# Altium PCB Enigma Rev A Back.PcbDoc
Units mil, origin at the board's own origin, x right, y up, seen from the top; angles counter-clockwise.
Board outline 9055.12 x 4527.56 mil, 4 copper layers (Component Side, Ground Plane, Power Plane, Solder Side), stack 33.234 mil thick; 24 components, 124 nets, 538 pads, 0 vias.
Unrouted connection lines stored in the file: 98.
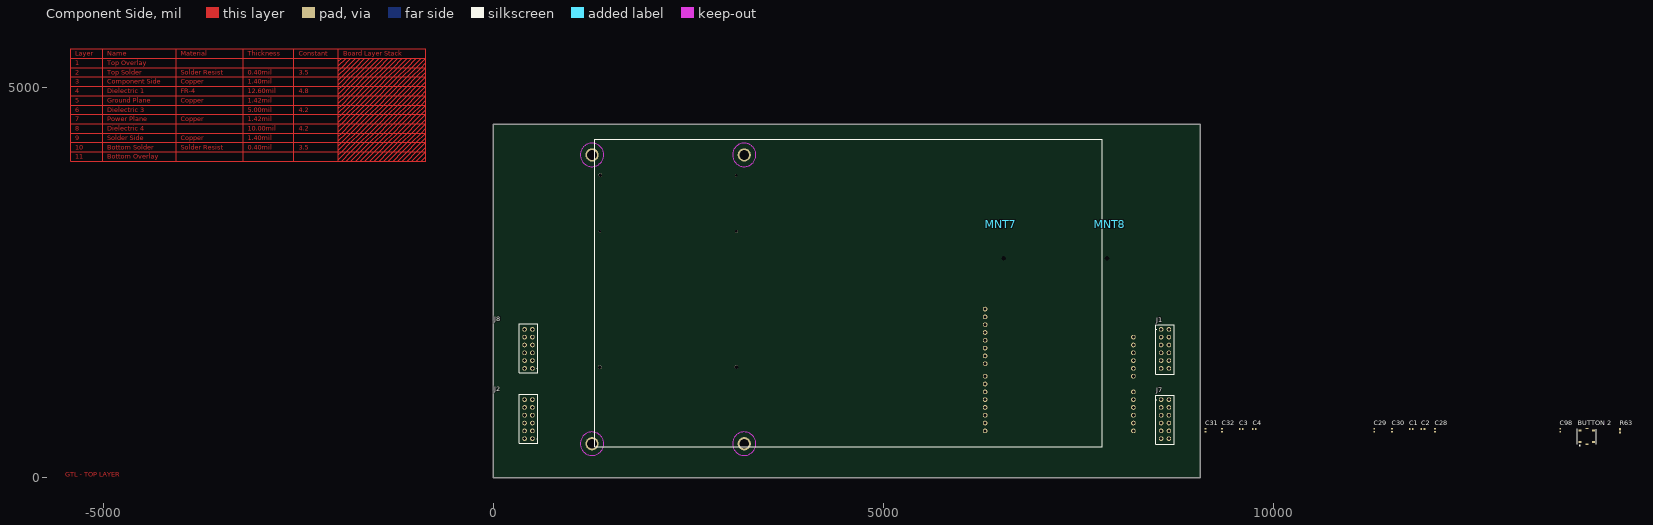
[diagram p0: Component Side view]
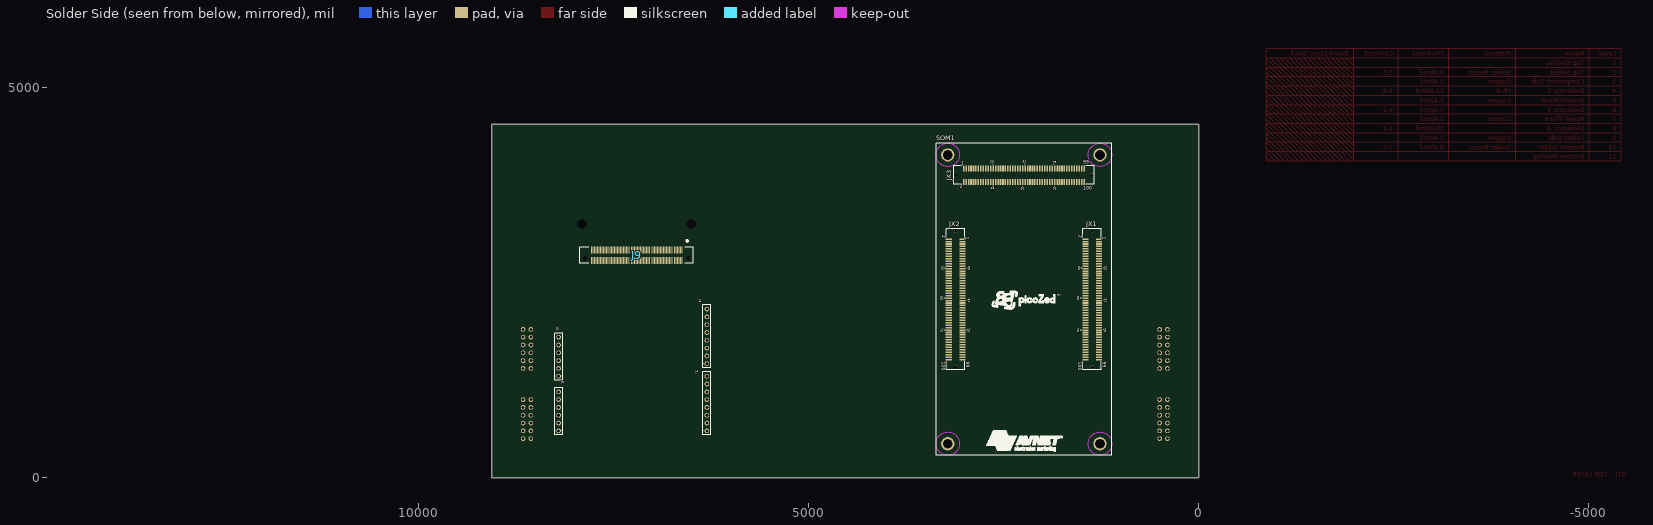
[diagram p1: Solder Side view, seen from below]
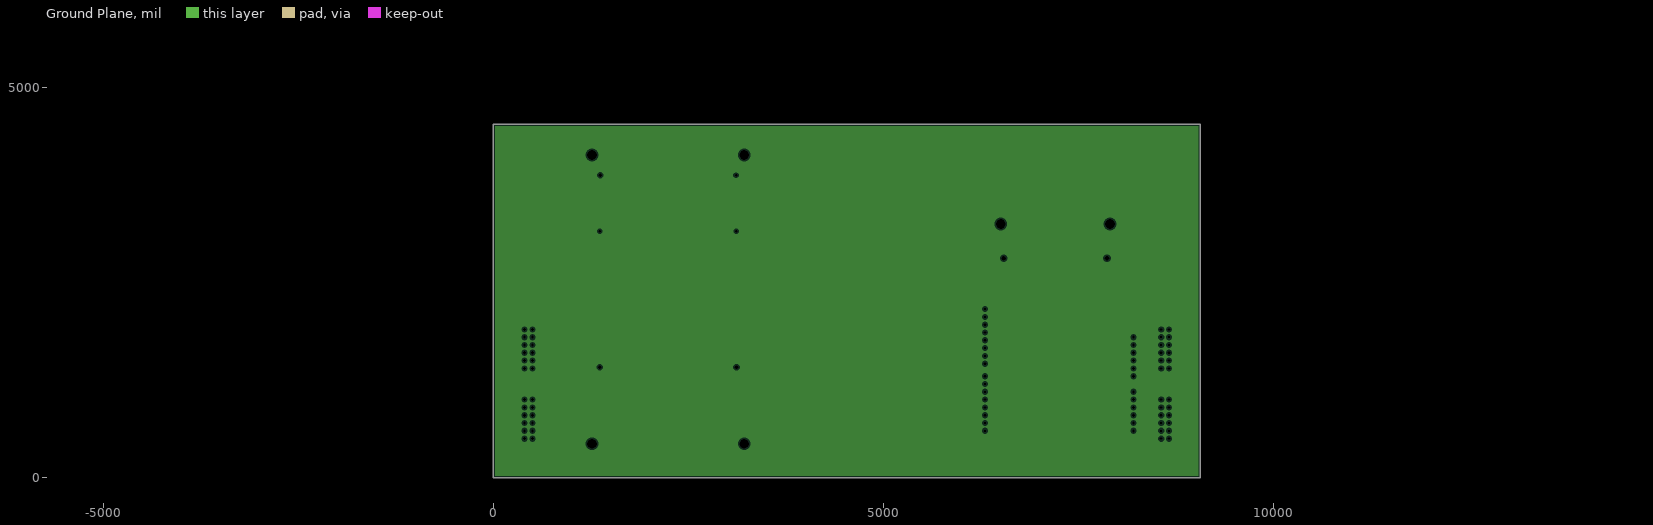
[diagram p2: Ground Plane, clearances drawn from the general rule]
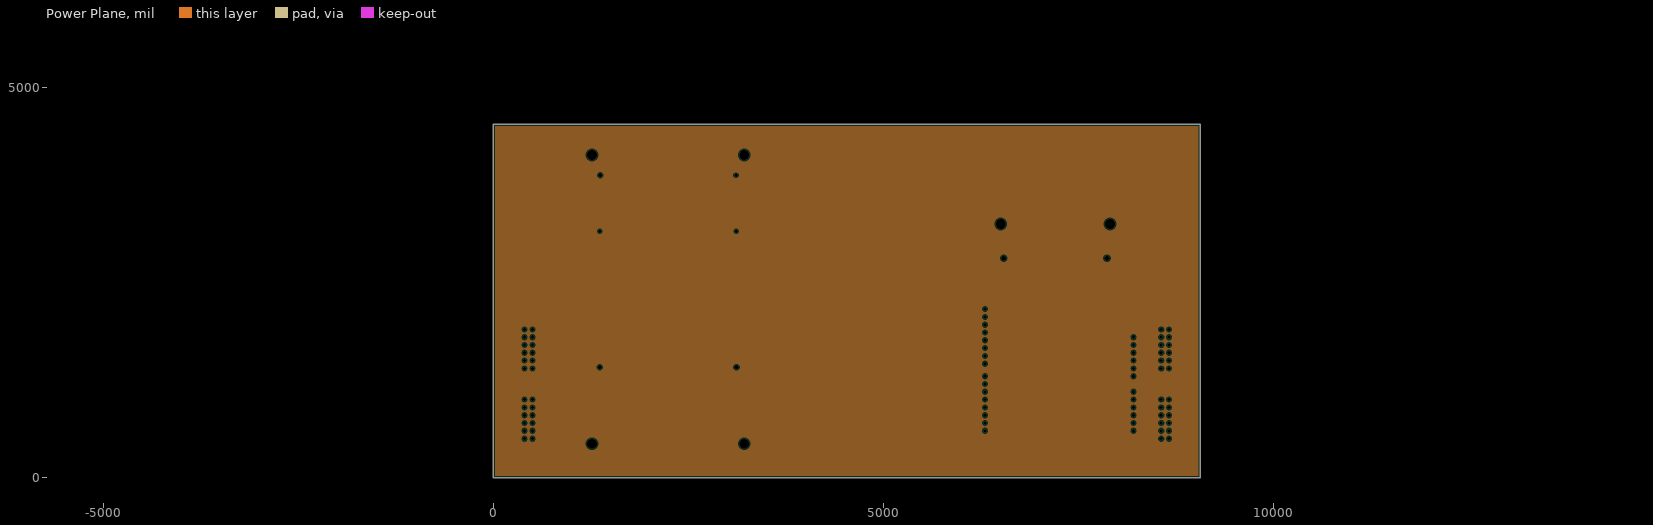
[diagram p3: Power Plane, clearances drawn from the general rule]

## Layer stack, top to bottom
Top Solder: solder mask 0.4, Solder Resist, Dk 3.5
Component Side: signal copper 1.4
Dielectric 1: core 12.6, FR-4, Dk 4.8
Ground Plane: plane copper 1.417
Dielectric 3: prepreg 5, Dk 4.2
Power Plane: plane copper 1.417
Dielectric 4: core 10, Dk 4.2
Solder Side: signal copper 1.4
Bottom Solder: solder mask 0.4, Solder Resist, Dk 3.5

## Board outline
0,0 9055.12,0 9055.12,4527.56 0,4527.56

## Design rules (kind name [scope] priority, off if disabled: settings)
Clearance [All] p1: gap=10 ignorepadtopadclearanceinfootprint=FALSE except(0: Arc-Hole Track-Hole SMDPad-Hole THPad-Hole Via-Hole Fill-Hole Poly-Hole Region-Hole Text-Hole)
DiffPairsRouting [All] p1: maxlimit=10 minlimit=10 mostfreqgap=10 toplayer_minwidth=15 toplayer_maxwidth=15 toplayer_prefwidth=15 bottomlayer_minwidth=15 bottomlayer_maxwidth=15 bottomlayer_prefwidth=15 maxuncoupledlength=500
PlaneClearance [All] p1: clearance=20
PlaneConnect [All] p1: planeconnectstyle=Relief reliefexpansion=20 reliefentries=4 reliefconductorwidth=10 reliefairgap=10
PolygonConnect [All] p1: connectstyle=Relief reliefconductorwidth=10 reliefentries=4 polygonreliefangle="90 Angle" airgapwidth=10
RoutingLayers [All] p1: top layer_v5=FALSE bottom layer_v5=TRUE
RoutingVias [All] p1: holewidth=28 width=50 viastyle="Through Hole" minholewidth=28 minwidth=50 maxholewidth=28 maxwidth=50
SolderMaskExpansion [All] p1: expansion=4
Width [All] p1: maxlimit=10 minlimit=10 preferedwidth=10
26 further rules are at their usual default settings.

## Classes and differential pairs
differential pair EXT_SERDES_TX1: +EXT_SERDES_TX1_P -EXT_SERDES_TX1_N
differential pair EXT_SERDES_TX0: +EXT_SERDES_TX0_P -EXT_SERDES_TX0_N
differential pair EXT_SERDES_RX1: +EXT_SERDES_RX1_P -EXT_SERDES_RX1_N
differential pair EXT_SERDES_RX0: +EXT_SERDES_RX0_P -EXT_SERDES_RX0_N
differential pair EXT_SERDES_CLK1: +EXT_SERDES_CLK1_P -EXT_SERDES_CLK1_N
differential pair EXT_SERDES_CLK0: +EXT_SERDES_CLK0_P -EXT_SERDES_CLK0_N
differential pair ESIG25: +ESIG25_P -ESIG25_N
differential pair ESIG24: +ESIG24_P -ESIG24_N
differential pair ESIG23: +ESIG23_P -ESIG23_N
differential pair ESIG22: +ESIG22_P -ESIG22_N
differential pair ESIG21: +ESIG21_P -ESIG21_N
differential pair ESIG20: +ESIG20_P -ESIG20_N
differential pair ESIG19: +ESIG19_P -ESIG19_N
differential pair ESIG18: +ESIG18_P -ESIG18_N
differential pair ESIG17: +ESIG17_P -ESIG17_N
differential pair ESIG15: +ESIG15_P -ESIG15_N
differential pair ESIG14: +ESIG14_P -ESIG14_N
differential pair ESIG13: +ESIG13_P -ESIG13_N
differential pair ESIG12: +ESIG12_P -ESIG12_N
differential pair ESIG11: +ESIG11_P -ESIG11_N
differential pair ESIG10: +ESIG10_P -ESIG10_N
differential pair ESIG9: +ESIG9_P -ESIG9_N
differential pair ESIG8: +ESIG8_P -ESIG8_N
differential pair ESIG7: +ESIG7_P -ESIG7_N
differential pair ESIG6: +ESIG6_P -ESIG6_N
differential pair ESIG5: +ESIG5_P -ESIG5_N
differential pair ESIG4: +ESIG4_P -ESIG4_N
differential pair ESIG3: +ESIG3_P -ESIG3_N
differential pair ESIG2: +ESIG2_P -ESIG2_N
differential pair ESIG1: +ESIG1_P -ESIG1_N
differential pair CLK1_ESIG16: +CLK1_ESIG16_P -CLK1_ESIG16_N
differential pair CLK0_ESIG0: +CLK0_ESIG0_P -CLK0_ESIG0_N

## Components (designator, comment, footprint, x,y, rotation, side; value= is the part's Value field where it differs from the comment)
"BUTTON 2" "S_TACTILE_5X5" TACTILE_BUTTON_5X5 14010,530 r90 top
C1 "0.1uF" C_ERA-0402 11760,625 r0 top
C2 "0.1uF" C_ERA-0402 11910,625 r0 top
C3 "0.1uF" C_ERA-0402 9580,625 r0 top
C4 "0.1uF" C_ERA-0402 9750,625 r0 top
C28 "0.1uF" C_ERA-0402 12065,610 r90 top
C29 "0.1uF" C_ERA-0402 11285,610 r90 top
C30 "0.1uF" C_ERA-0402 11515,610 r90 top
C31 "0.1uF" C_ERA-0402 9125,610 r90 top
C32 "0.1uF" C_ERA-0402 9335,610 r90 top
C98 "0.1uF" C_ERA-0402 13670,610 r90 top
J1 "PMOD" PMOD 8555.39,1900 r270 top locked
J2 "PMOD" PMOD 499.61,500 r90 top locked
J3 "J_HDR1X6_THRHOLE_VERT_FEMALE" "HDR_1X6 - FEMALE" 8200,1300 r90 bottom locked
J4 "J_HDR1X8_THRHOLE_VERT_RECPT" "HDR_1X8 - FEMALE" 6300,600 r90 bottom locked
J5 "J_HDR1X6_THRHOLE_VERT_FEMALE" "HDR_1X6 - FEMALE" 8200,600 r90 bottom locked
J6 "J_HDR1X8_THRHOLE_VERT_RECPT" "HDR_1X8 - FEMALE" 6300,1460 r90 bottom locked
J7 "PMOD" PMOD 8555.39,1000 r270 top locked
J8 "PMOD" PMOD 499.61,1400 r90 top locked
J9 "J_ARTEMIS_EXP_120PIN_BRD" ERM5-060-04.0-L-DV-TR 7200,2850 r0 bottom locked
MNT7 "Mounting Hole" MNT_4-40 6500,3250 r0 top locked
MNT8 "Mounting Hole" MNT_4-40 7900,3250 r0 top locked
R63 "R_0402_10.0K" ERA-0402 14435,600 r90 top
SOM1 "PicoZed" PicoZedSOM 3363.89,285.31 r180 bottom

## Footprints (in the part's own frame and the unit in brackets; to place one, negate y for a bottom-side part, rotate by r counter-clockwise, add the part's x,y. Pads: shape width x height; smd on the part's side, far side on the other; paste and mask are expansions set on the pad)
C_ERA-0402 [mm]
  rect 0.5x0.6 smd: 1(-0.5,0) 2(0.5,0)
  body extent -0.5,-0.3 0.5,0.3, height 0.2
ERA-0402 [mm] "Chip Resistor, 2-Leads, Body 1.0x0.5mm, IPC Medium Density"
  rect 0.75x0.65 smd: 1(-0.55,0) 2(0.55,0)
  body extent -0.5,-0.25 0.5,0.25, height 0.33
ERM5-060-04.0-L-DV-TR [mm]
  rect 0.305x2.273 smd mask+0.06: 1(-14.75,-1.7) 2(-14.75,1.7) 3(-14.25,-1.7) 4(-14.25,1.7) 5(-13.75,-1.7) 6(-13.75,1.7) 7(-13.25,-1.7) 8(-13.25,1.7) 9(-12.75,-1.7) 10(-12.75,1.7) 11(-12.25,-1.7) 12(-12.25,1.7) 13(-11.75,-1.7) 14(-11.75,1.7) 15(-11.25,-1.7) 16(-11.25,1.7) 17(-10.75,-1.7) 18(-10.75,1.7) 19(-10.25,-1.7) 20(-10.25,1.7) 21(-9.75,-1.7) 22(-9.75,1.7) 23(-9.25,-1.7) 24(-9.25,1.7) 25(-8.75,-1.7) 26(-8.75,1.7) 27(-8.25,-1.7) 28(-8.25,1.7) 29(-7.75,-1.7) 30(-7.75,1.7) 31(-7.25,-1.7) 32(-7.25,1.7) 33(-6.75,-1.7) 34(-6.75,1.7) 35(-6.25,-1.7) 36(-6.25,1.7) 37(-5.75,-1.7) 38(-5.75,1.7) 39(-5.25,-1.7) 40(-5.25,1.7) 41(-4.75,-1.7) 42(-4.75,1.7) 43(-4.25,-1.7) 44(-4.25,1.7) 45(-3.75,-1.7) 46(-3.75,1.7) 47(-3.25,-1.7) 48(-3.25,1.7) 49(-2.75,-1.7) 50(-2.75,1.7) 51(-2.25,-1.7) 52(-2.25,1.7) 53(-1.75,-1.7) 54(-1.75,1.7) 55(-1.25,-1.7) 56(-1.25,1.7) 57(-0.75,-1.7) 58(-0.75,1.7) 59(-0.25,-1.7) 60(-0.25,1.7) 61(0.25,-1.7) 62(0.25,1.7) 63(0.75,-1.7) 64(0.75,1.7) 65(1.25,-1.7) 66(1.25,1.7) 67(1.75,-1.7) 68(1.75,1.7) 69(2.25,-1.7) 70(2.25,1.7) 71(2.75,-1.7) 72(2.75,1.7) 73(3.25,-1.7) 74(3.25,1.7) 75(3.75,-1.7) 76(3.75,1.7) 77(4.25,-1.7) 78(4.25,1.7) 79(4.75,-1.7) 80(4.75,1.7) 81(5.25,-1.7) 82(5.25,1.7) 83(5.75,-1.7) 84(5.75,1.7) 85(6.25,-1.7) 86(6.25,1.7) 87(6.75,-1.7) 88(6.75,1.7) 89(7.25,-1.7) 90(7.25,1.7) 91(7.75,-1.7) 92(7.75,1.7) 93(8.25,-1.7) 94(8.25,1.7) 95(8.75,-1.7) 96(8.75,1.7) 97(9.25,-1.7) 98(9.25,1.7) 99(9.75,-1.7) 100(9.75,1.7) 101(10.25,-1.7) 102(10.25,1.7) 103(10.75,-1.7) 104(10.75,1.7) 105(11.25,-1.7) 106(11.25,1.7) 107(11.75,-1.7) 108(11.75,1.7) 109(12.25,-1.7) 110(12.25,1.7) 111(12.75,-1.7) 112(12.75,1.7) 113(13.25,-1.7) 114(13.25,1.7) 115(13.75,-1.7) 116(13.75,1.7) 117(14.25,-1.7) 118(14.25,1.7) 119(14.75,-1.7) 120(14.75,1.7)
  round 0 hole 1.5 unplated: M(-16.8,1) M(16.8,1)
  silkscreen extent -18.47,-4.96 18.49,2.6, body extent -18.4,-2.47 18.4,2.48, height 8
"HDR_1X6 - FEMALE" [mil] "HEADER"
  round 60 hole 40: 1(0,0) 2(100,0) 3(200,0) 4(300,0) 5(400,0) 6(500,0)
  silkscreen extent -50,-50 550,50, body extent -56,-48 554,50, height 340
"HDR_1X8 - FEMALE" [mil] "FEMALE HEADER"
  round 60 hole 40: 1(0,0) 2(100,0) 3(200,0) 4(300,0) 5(400,0) 6(500,0) 7(600,0) 8(700,0)
  silkscreen extent -50,-50 758,50, body extent -54,-49 756,49, height 340
MNT_4-40 [mil]
  round 0 hole 125 unplated mask+1.5: MOUNT(0,0)
PicoZedSOM [mil] "PicoZed SOM Footprint"
  round 170 hole 125: 0(150,150) 0(150,3850) 0(2100,150) 0(2100,3850)
  round 45.98 hole 47.99 unplated: 0(250.5,1130) 0(1995,3590) 0(2000.5,1130)
  round 30 hole 32.01 unplated: 0(250.5,2870) 0(255,3590) 0(2000.5,2870)
  rect 80x20 smd: JX1-1(2087.11,2771.65) JX1-2(1913.89,2771.65) JX1-3(2087.11,2740.16) JX1-4(1913.89,2740.16) JX1-5(2087.11,2708.66) JX1-6(1913.89,2708.66) JX1-7(2087.11,2677.17) JX1-8(1913.89,2677.17) JX1-9(2087.11,2645.67) JX1-10(1913.89,2645.67) JX1-11(2087.11,2614.17) JX1-12(1913.89,2614.17) JX1-13(2087.11,2582.68) JX1-14(1913.89,2582.68) JX1-15(2087.11,2551.18) JX1-16(1913.89,2551.18) JX1-17(2087.11,2519.68) JX1-18(1913.89,2519.69) JX1-19(2087.11,2488.19) JX1-20(1913.89,2488.19) JX1-21(2087.11,2456.69) JX1-22(1913.89,2456.69) JX1-23(2087.11,2425.2) JX1-24(1913.89,2425.2) JX1-25(2087.11,2393.7) JX1-26(1913.89,2393.7) JX1-27(2087.11,2362.2) JX1-28(1913.89,2362.21) JX1-29(2087.11,2330.71) JX1-30(1913.89,2330.71) JX1-31(2087.11,2299.21) JX1-32(1913.89,2299.21) JX1-33(2087.11,2267.72) JX1-34(1913.89,2267.72) JX1-35(2087.11,2236.22) JX1-36(1913.89,2236.22) JX1-37(2087.11,2204.72) JX1-38(1913.89,2204.73) JX1-39(2087.11,2173.23) JX1-40(1913.89,2173.23) JX1-41(2087.11,2141.73) JX1-42(1913.89,2141.73) JX1-43(2087.11,2110.24) JX1-44(1913.89,2110.24) JX1-45(2087.11,2078.74) JX1-46(1913.89,2078.74) JX1-47(2087.11,2047.24) JX1-48(1913.89,2047.25) JX1-49(2087.11,2015.75) JX1-50(1913.89,2015.75) JX1-51(2087.11,1984.25) JX1-52(1913.89,1984.25) JX1-53(2087.11,1952.76) JX1-54(1913.89,1952.76) JX1-55(2087.11,1921.26) JX1-56(1913.89,1921.26) JX1-57(2087.11,1889.76) JX1-58(1913.89,1889.77) JX1-59(2087.11,1858.27) JX1-60(1913.89,1858.27) JX1-61(2087.11,1826.77) JX1-62(1913.89,1826.77) JX1-63(2087.11,1795.28) JX1-64(1913.89,1795.28) JX1-65(2087.11,1763.78) JX1-66(1913.89,1763.78) JX1-67(2087.11,1732.28) JX1-68(1913.89,1732.29) JX1-69(2087.11,1700.79) JX1-70(1913.89,1700.79) JX1-71(2087.11,1669.29) JX1-72(1913.89,1669.29) JX1-73(2087.11,1637.8) JX1-74(1913.89,1637.8) JX1-75(2087.11,1606.3) JX1-76(1913.89,1606.3) JX1-77(2087.11,1574.8) JX1-78(1913.89,1574.81) JX1-79(2087.11,1543.31) JX1-80(1913.89,1543.31) JX1-81(2087.11,1511.81) JX1-82(1913.89,1511.81) JX1-83(2087.11,1480.31) JX1-84(1913.89,1480.32) JX1-85(2087.11,1448.82) JX1-86(1913.89,1448.82) JX1-87(2087.11,1417.32) JX1-88(1913.89,1417.33) JX1-89(2087.11,1385.83) JX1-90(1913.89,1385.83) JX1-91(2087.11,1354.33) JX1-92(1913.89,1354.33) JX1-93(2087.11,1322.83) JX1-94(1913.89,1322.84) JX1-95(2087.11,1291.34) JX1-96(1913.89,1291.34) JX1-97(2087.11,1259.84) JX1-98(1913.89,1259.85) JX1-99(2087.11,1228.35) JX1-100(1913.89,1228.35) JX2-1(337.11,2771.65) JX2-2(163.89,2771.65) JX2-3(337.11,2740.16) JX2-4(163.89,2740.16) JX2-5(337.11,2708.66) JX2-6(163.89,2708.66) JX2-7(337.11,2677.17) JX2-8(163.89,2677.17) JX2-9(337.11,2645.67) JX2-10(163.89,2645.67) JX2-11(337.11,2614.17) JX2-12(163.89,2614.17) JX2-13(337.11,2582.68) JX2-14(163.89,2582.68) JX2-15(337.11,2551.18) JX2-16(163.89,2551.18) JX2-17(337.11,2519.68) JX2-18(163.89,2519.69) JX2-19(337.11,2488.19) JX2-20(163.89,2488.19) JX2-21(337.11,2456.69) JX2-22(163.89,2456.69) JX2-23(337.11,2425.2) JX2-24(163.89,2425.2) JX2-25(337.11,2393.7) JX2-26(163.89,2393.7) JX2-27(337.11,2362.2) JX2-28(163.89,2362.21) JX2-29(337.11,2330.71) JX2-30(163.89,2330.71) JX2-31(337.11,2299.21) JX2-32(163.89,2299.21) JX2-33(337.11,2267.72) JX2-34(163.89,2267.72) JX2-35(337.11,2236.22) JX2-36(163.89,2236.22) JX2-37(337.11,2204.72) JX2-38(163.89,2204.73) JX2-39(337.11,2173.23) JX2-40(163.89,2173.23) JX2-41(337.11,2141.73) JX2-42(163.89,2141.73) JX2-43(337.11,2110.24) JX2-44(163.89,2110.24) JX2-45(337.11,2078.74) JX2-46(163.89,2078.74) JX2-47(337.11,2047.24) JX2-48(163.89,2047.25) JX2-49(337.11,2015.75) JX2-50(163.89,2015.75) JX2-51(337.11,1984.25) JX2-52(163.89,1984.25) JX2-53(337.11,1952.76) JX2-54(163.89,1952.76) JX2-55(337.11,1921.26) JX2-56(163.89,1921.26) JX2-57(337.11,1889.76) JX2-58(163.89,1889.77) JX2-59(337.11,1858.27) JX2-60(163.89,1858.27) JX2-61(337.11,1826.77) JX2-62(163.89,1826.77) JX2-63(337.11,1795.28) JX2-64(163.89,1795.28) JX2-65(337.11,1763.78) JX2-66(163.89,1763.78) JX2-67(337.11,1732.28) JX2-68(163.89,1732.29) JX2-69(337.11,1700.79) JX2-70(163.89,1700.79) JX2-71(337.11,1669.29) JX2-72(163.89,1669.29) JX2-73(337.11,1637.8) JX2-74(163.89,1637.8) JX2-75(337.11,1606.3) JX2-76(163.89,1606.3) JX2-77(337.11,1574.8) JX2-78(163.89,1574.81) JX2-79(337.11,1543.31) JX2-80(163.89,1543.31) JX2-81(337.11,1511.81) JX2-82(163.89,1511.81) JX2-83(337.11,1480.31) JX2-84(163.89,1480.32) JX2-85(337.11,1448.82) JX2-86(163.89,1448.82) JX2-87(337.11,1417.32) JX2-88(163.89,1417.33) JX2-89(337.11,1385.83) JX2-90(163.89,1385.83) JX2-91(337.11,1354.33) JX2-92(163.89,1354.33) JX2-93(337.11,1322.83) JX2-94(163.89,1322.84) JX2-95(337.11,1291.34) JX2-96(163.89,1291.34) JX2-97(337.11,1259.84) JX2-98(163.89,1259.85) JX2-99(337.11,1228.35) JX2-100(163.89,1228.35)
  rect 20x80 smd: JX3-1(353.35,3676.61) JX3-2(353.35,3503.39) JX3-3(384.84,3676.61) JX3-4(384.84,3503.39) JX3-5(416.34,3676.61) JX3-6(416.34,3503.39) JX3-7(447.83,3676.61) JX3-8(447.83,3503.39) JX3-9(479.33,3676.61) JX3-10(479.33,3503.39) JX3-11(510.83,3676.61) JX3-12(510.83,3503.39) JX3-13(542.32,3676.61) JX3-14(542.32,3503.39) JX3-15(573.82,3676.61) JX3-16(573.82,3503.39) JX3-17(605.32,3676.61) JX3-18(605.31,3503.39) JX3-19(636.81,3676.61) JX3-20(636.81,3503.39) JX3-21(668.31,3676.61) JX3-22(668.31,3503.39) JX3-23(699.8,3676.61) JX3-24(699.8,3503.39) JX3-25(731.3,3676.61) JX3-26(731.3,3503.39) JX3-27(762.8,3676.61) JX3-28(762.79,3503.39) JX3-29(794.29,3676.61) JX3-30(794.29,3503.39) JX3-31(825.79,3676.61) JX3-32(825.79,3503.39) JX3-33(857.28,3676.61) JX3-34(857.28,3503.39) JX3-35(888.78,3676.61) JX3-36(888.78,3503.39) JX3-37(920.28,3676.61) JX3-38(920.27,3503.39) JX3-39(951.77,3676.61) JX3-40(951.77,3503.39) JX3-41(983.27,3676.61) JX3-42(983.27,3503.39) JX3-43(1014.76,3676.61) JX3-44(1014.76,3503.39) JX3-45(1046.26,3676.61) JX3-46(1046.26,3503.39) JX3-47(1077.76,3676.61) JX3-48(1077.75,3503.39) JX3-49(1109.25,3676.61) JX3-50(1109.25,3503.39) JX3-51(1140.75,3676.61) JX3-52(1140.75,3503.39) JX3-53(1172.24,3676.61) JX3-54(1172.24,3503.39) JX3-55(1203.74,3676.61) JX3-56(1203.74,3503.39) JX3-57(1235.24,3676.61) JX3-58(1235.23,3503.39) JX3-59(1266.73,3676.61) JX3-60(1266.73,3503.39) JX3-61(1298.23,3676.61) JX3-62(1298.23,3503.39) JX3-63(1329.72,3676.61) JX3-64(1329.72,3503.39) JX3-65(1361.22,3676.61) JX3-66(1361.22,3503.39) JX3-67(1392.72,3676.61) JX3-68(1392.71,3503.39) JX3-69(1424.21,3676.61) JX3-70(1424.21,3503.39) JX3-71(1455.71,3676.61) JX3-72(1455.71,3503.39) JX3-73(1487.2,3676.61) JX3-74(1487.2,3503.39) JX3-75(1518.7,3676.61) JX3-76(1518.7,3503.39) JX3-77(1550.2,3676.61) JX3-78(1550.19,3503.39) JX3-79(1581.69,3676.61) JX3-80(1581.69,3503.39) JX3-81(1613.19,3676.61) JX3-82(1613.19,3503.39) JX3-83(1644.69,3676.61) JX3-84(1644.68,3503.39) JX3-85(1676.18,3676.61) JX3-86(1676.18,3503.39) JX3-87(1707.68,3676.61) JX3-88(1707.67,3503.39) JX3-89(1739.17,3676.61) JX3-90(1739.17,3503.39) JX3-91(1770.67,3676.61) JX3-92(1770.67,3503.39) JX3-93(1802.17,3676.61) JX3-94(1802.16,3503.39) JX3-95(1833.66,3676.61) JX3-96(1833.66,3503.39) JX3-97(1865.16,3676.61) JX3-98(1865.15,3503.39) JX3-99(1896.65,3676.61) JX3-100(1896.65,3503.39)
  Component Side keep-out circle w4: c150,150 r150
  Component Side keep-out circle w4: c2100,3850 r150
  Component Side keep-out circle w4: c150,3850 r150
  Component Side keep-out circle w4: c2100,150 r150
  Solder Side keep-out circle w4: c150,150 r150
  Solder Side keep-out circle w4: c2100,3850 r150
  Solder Side keep-out circle w4: c150,3850 r150
  Solder Side keep-out circle w4: c2100,150 r150
  silkscreen extent 0,0 2250,4000, body extent -1,0 2250,4000, height 186
PMOD [mm] "PMOD Connector"
  round 1.5 hole 1.016: 1(0,0) 2(2.54,0) 3(5.08,0) 4(7.62,0) 5(10.16,0) 6(12.7,0) 7(0,2.54) 8(2.54,2.54) 9(5.08,2.54) 10(7.62,2.54) 11(10.16,2.54) 12(12.7,2.54)
  silkscreen extent -1.45,-1.8 14.53,4.23, body extent -1.57,-0.25 14.17,12.64, height 5.02
TACTILE_BUTTON_5X5 [mm] "LCC, 8-Pins, Body 6.5x6.0mm (max), Pitch 1.27mm, IPC Medium Density"
  rect 0.6x1 smd: 1(-1.85,2.2) 2(-1.85,-2.2) 3(1.85,-2.2) 4(1.85,2.2)
  rect 0.45x1 smd: 5(-2.525,0) 6(2.525,0)
  silkscreen extent -3.1,-2.98 2.5,3.08, body extent -2.47,-2.52 2.42,2.47, height 1.5
